# Allegro board MB1045.brd (continued)
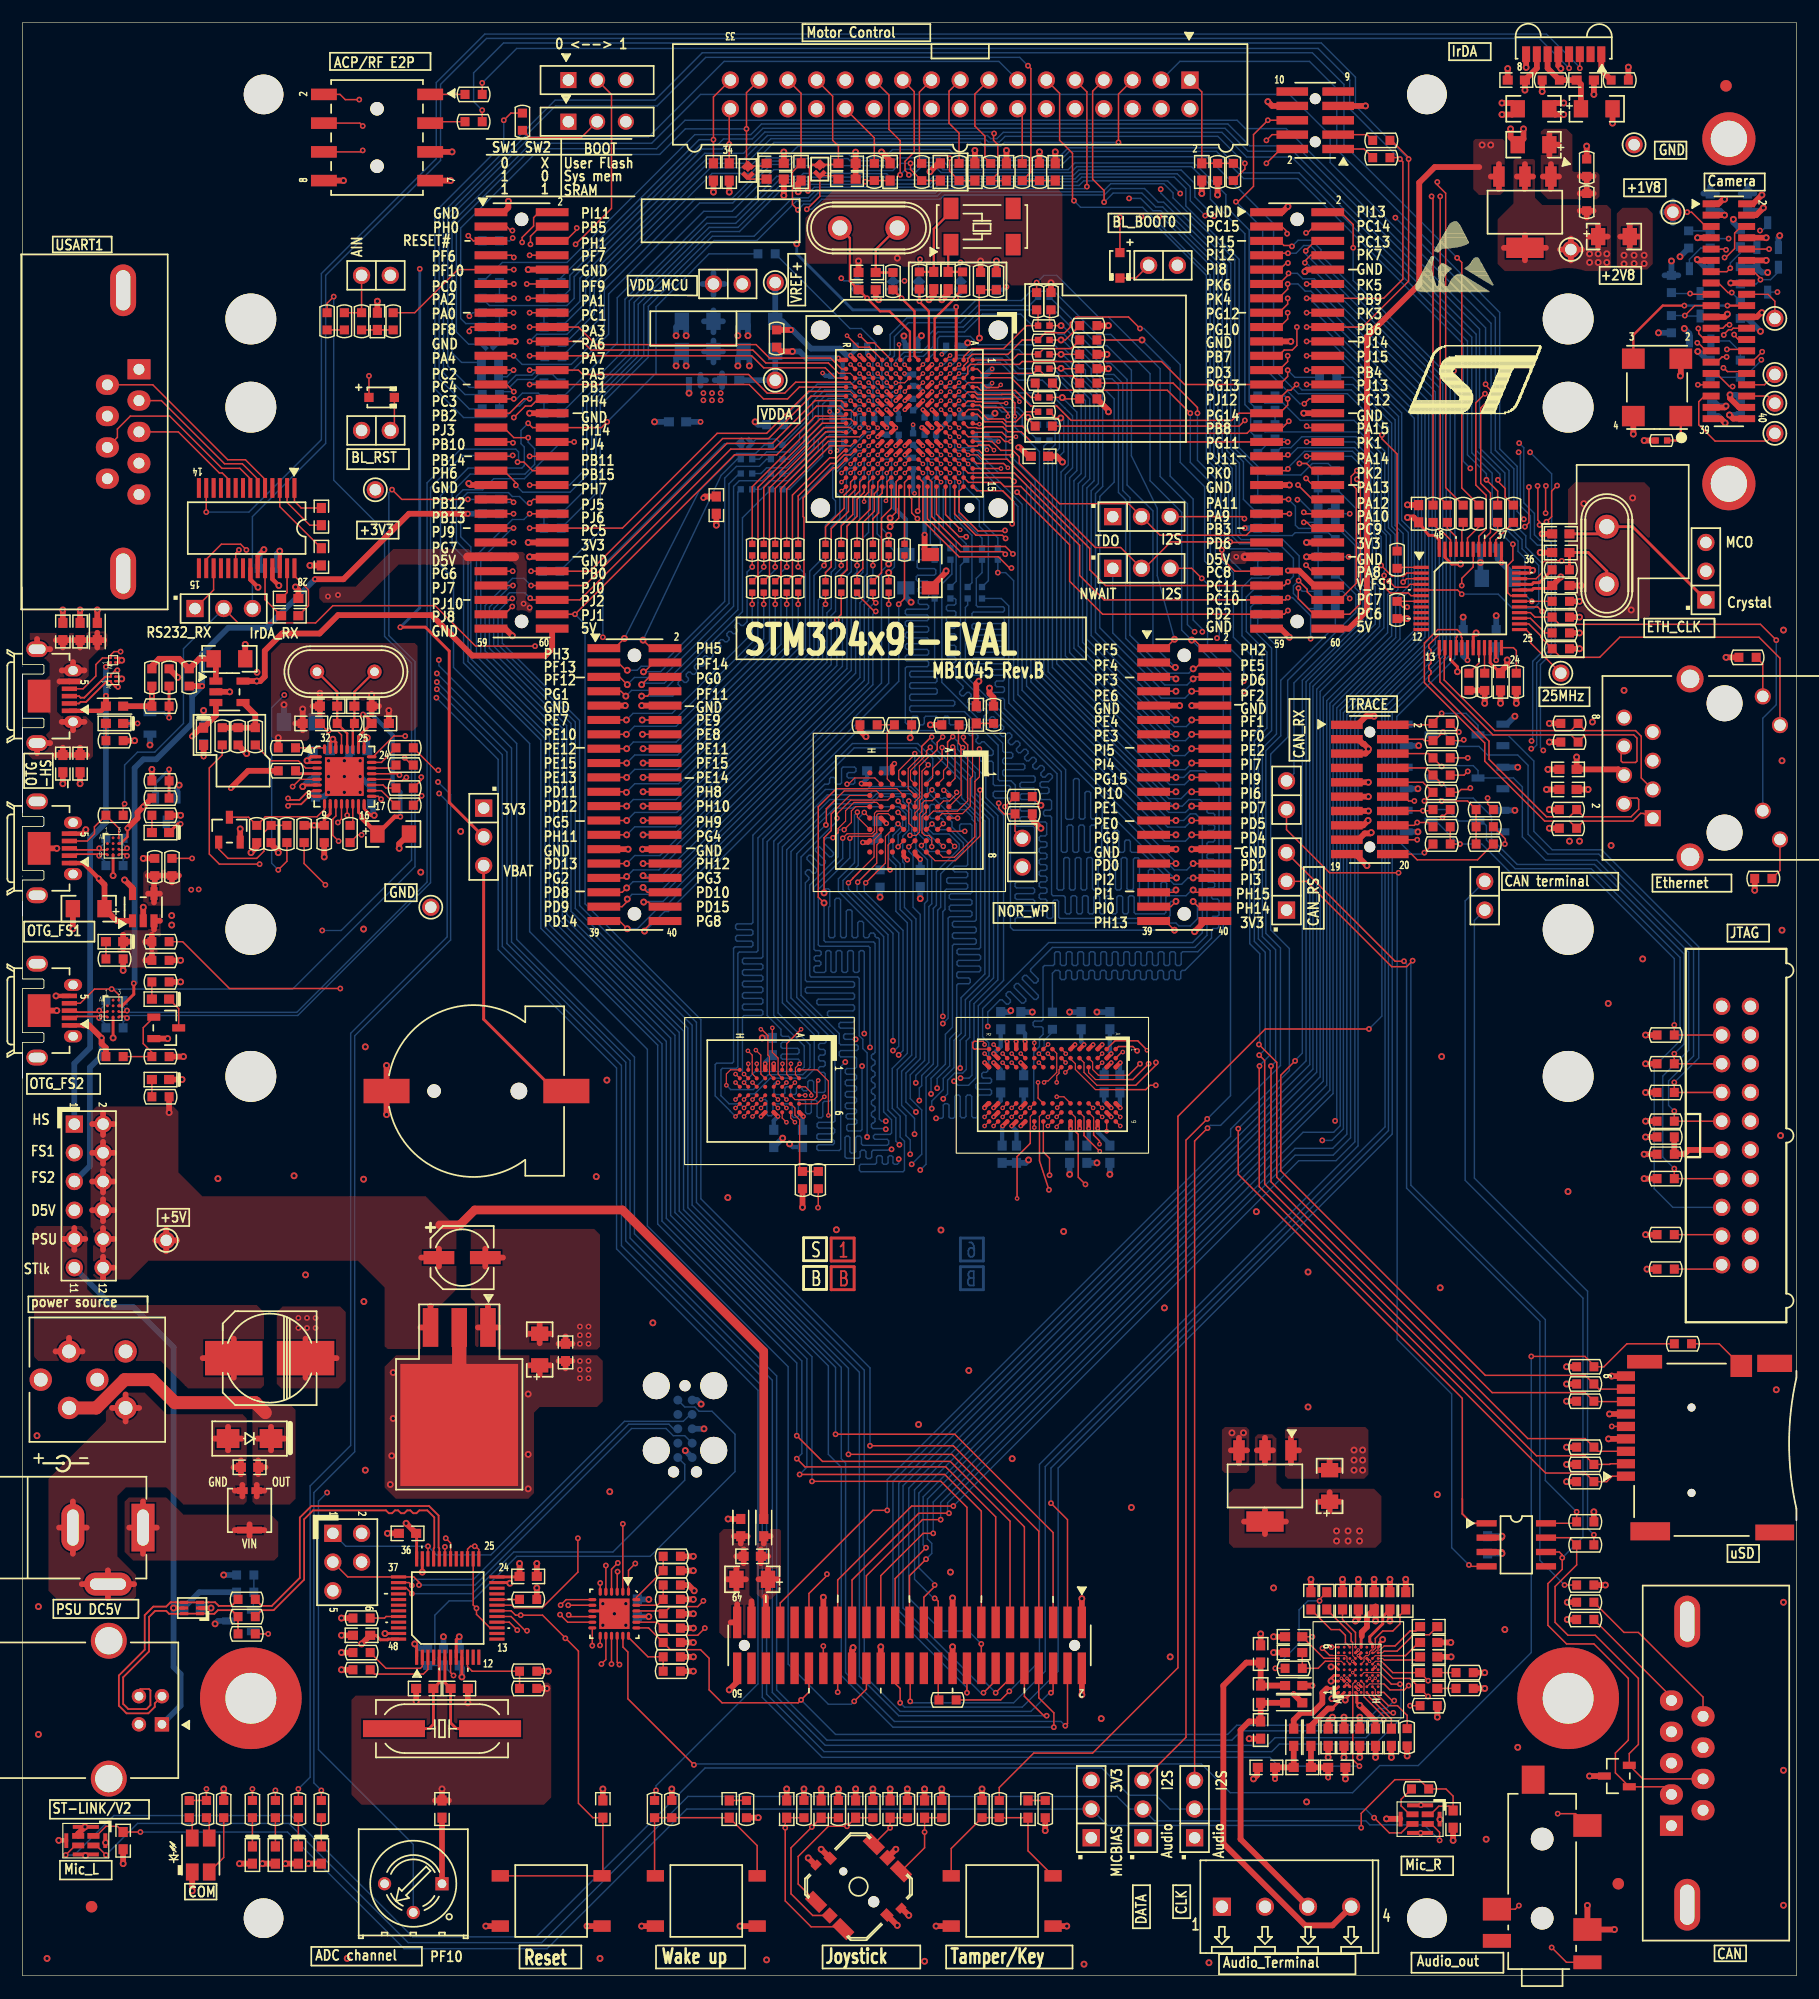
[diagram p0: board, top side]
## Placement (name value [footprint] x y rotation side) (continued)
NOREF  -  [unnamed]  20.18 146.51 0 top
NOREF#2  -  [unnamed#2]  21.31 166.37 0 top
NOREF#3  -  [unnamed]  20.18 79.53 0 top
NOREF#4  -  [unnamed#2]  21.31 5.08 0 top
NOREF#5  -  [#2]  450.6 -120.4 0 top
NOREF#6  -  [unnamed#2]  124.18 166.37 0 top
NOREF#7  -  [#2]  12.32 228.5 0 top
NOREF#8  -  [unnamed#3]  141.1 8.13 0 top
NOREF#9  -  [unnamed#3]  6.1 6.1 0 top
NOREF#10  -  [unnamed#3]  150.62 167.13 0 top
NOREF#11  -  [#2]  72.26 60.92 0 top
NOREF#12  -  [unnamed]  136.66 79.53 0 top
NOREF#13  -  [#2]  72.26 63.46 0 top
NOREF#14  -  [unnamed]  136.66 146.51 0 top
NOREF#15  -  [#2]  322.2 176.15 0 top
NOREF#16  -  [#2]  0 0 0 top
NOREF#17  -  [unnamed]  136.66 138.71 0 top
NOREF#18  -  [unnamed]  20.18 138.71 0 top
NOREF#19  -  [#2]  309.25 83.19 0 top
NOREF#20  -  [unnamed]  136.66 92.53 0 top
NOREF#21  -  [unnamed]  20.18 92.53 0 top
NOREF#22  -  [#2]  13.59 -41.66 0 top
NOREF#23  -  [unnamed#2]  124.18 5.08 0 top
NOREF#24  -  [unnamed#3]  141.1 8.13 180 bottom
NOREF#25  -  [unnamed#3]  6.1 6.1 180 bottom
NOREF#26  -  [unnamed#3]  150.62 167.13 180 bottom
R1  47  [0603R]  135.13 167.64 0 top
R2  5.1  [0603R]  141.22 167.64 180 top
R3  0  [0603R]  39.88 166.37 180 top
R4  0  [0603R]  39.88 163.96 180 top
R5  10K  [0603R]  44.2 163.96 90 top
R6  0  [0603R]  120.14 162.31 180 top
R7  0  [0603R]  120.14 160.78 180 top
R8  150  [0603R]  138.3 159.89 90 top
R9  0  [0603R]  75.31 159.51 270 top
R10  0  [0603R]  79.5 159.51 90 top
R11  0  [0603R]  82.8 159.51 90 top
R12  0  [0603R]  85.6 159.51 90 top
R13  0  [0603R]  88.39 159.51 270 top
R14  100K  [0603R]  89.92 159.51 90 top
R15  3K3  [0603R]  105.66 159.51 270 top
R16  [N_A]  [0603R]  107.06 159.51 270 top
R17  120  [0603R]  138.3 156.84 90 top
R18  0  [0603R]  79.3 149.91 270 top
R19  0  [0603R]  83.11 149.91 270 top
R20  0  [0603R]  76.96 149.86 90 top
R21  [N_A]  [0603R]  84.71 149.86 90 top
R22  10K  [0603R]  86.11 149.86 90 top
R23  0  [0603R]  89.66 148.08 270 top
R24  220K  [0603R]  90.93 148.08 270 top
R25  0  [0603R]  26.92 146.3 90 top
R26  47  [0603R]  28.45 146.3 270 top
R27  0  [0603R]  29.97 146.3 90 top
R28  0  [0603R]  32.77 146.3 90 top
R29  33  [0402R]  90.3 145.92 0 top
R30  220K  [0603R]  94.23 145.92 180 top
R31  0  [0603R]  66.67 144.78 90 top
R32  33  [0402R]  90.3 144.65 0 top
R33  0  [0603R]  94.23 144.65 180 top
R34  33  [0402R]  90.3 143.38 0 top
R35  220K  [0603R]  94.23 143.38 180 top
R36  33  [0402R]  90.3 142.11 0 top
R37  220K  [0603R]  94.23 142.11 180 top
R38  0  [0603R]  90.3 140.84 180 top
R39  0  [0603R]  94.23 140.84 180 top
R40  33  [0402R]  90.3 139.57 0 top
R41  220K  [0603R]  94.23 139.45 180 top
R42  33  [0402R]  90.3 138.3 0 top
R43  [N_A]  [0603R]  90.3 137.03 180 top
R44  10K  [0402R]  144.91 135.76 180 top
R45  33  [0603R]  115.32 120.9 0 bottom
R46  33  [0603R]  124.71 129.29 90 top
R47  33  [0603R]  125.98 129.29 90 top
R48  33  [0603R]  127.38 129.29 90 top
R49  33  [0603R]  128.78 129.29 90 top
R50  33  [0603R]  130.43 129.29 90 top
R51  33  [0603R]  131.83 129.29 90 top
R52  33  [0402R]  64.52 126.11 270 top
R53  33  [0402R]  65.53 126.11 270 top
R54  33  [0402R]  66.55 126.11 270 top
R55  33  [0402R]  67.56 126.11 270 top
R56  33  [0402R]  68.58 126.11 270 top
R57  33  [0402R]  70.99 126.11 90 top
R58  33  [0402R]  72.39 126.11 90 top
R59  33  [0402R]  73.79 126.11 90 top
R60  33  [0402R]  75.18 126.11 270 top
R61  33  [0402R]  76.58 126.11 270 top
R62  33  [0402R]  77.98 126.11 270 top
R63  33  [0603R]  121.54 125.22 90 top
R64  0  [0603R]  136.02 124.33 0 top
R65  33  [0402R]  64.52 122.81 270 top
R66  33  [0402R]  65.53 122.81 270 top
R67  33  [0402R]  66.55 122.81 270 top
R68  33  [0402R]  67.56 122.81 270 top
R69  33  [0402R]  68.58 122.81 270 top
R70  33  [0402R]  70.99 122.81 90 top
R71  33  [0402R]  72.39 122.81 90 top
R72  33  [0402R]  73.79 122.81 270 top
R73  33  [0402R]  75.18 122.81 270 top
R74  33  [0402R]  76.58 122.81 270 top
R75  1K5  [0603R]  136.02 121.54 0 top
R76  10K  [0603R]  121.54 120.78 90 top
R77  2K2  [0603R]  136.02 120.14 0 top
R78  2K2  [0603R]  136.02 118.75 0 top
R79  2K2  [0603R]  136.02 117.35 0 top
R80  240  [0603R]  152.53 116.59 180 top
R81  0  [0603R]  11.43 114.81 270 top
R82  [N_A]  [0603R]  12.95 114.81 270 top
R83  [N_A]  [0603R]  14.73 114.81 90 top
R84  2K2  [0603R]  127.89 114.43 270 top
R85  2K2  [0603R]  129.29 114.43 270 top
R86  4.87K  [0603R]  132.08 114.43 90 top
R87  47K  [0603R]  12.19 112.27 180 top
R88  10K  [0603R]  85.85 111.51 270 top
R89  1M  [0603R]  28.57 110.74 180 top
R90  22  [0603R]  125.48 110.74 0 top
R91  50  [0603R]  136.78 110.74 0 top
R92  10K  [0603R]  74.8 110.62 180 top
R93  0  [0603R]  77.85 110.62 0 top
R94  10K  [0603R]  82.04 110.62 180 top
R95  [N_A]  [0603R]  17.65 109.6 270 top
R96  10K  [0603R]  19.05 109.6 90 top
R97  0  [0603R]  20.57 109.6 90 top
R98  330  [0603R]  8.13 109.22 0 top
R99  22  [0603R]  125.48 109.22 0 top
R100  50  [0603R]  136.78 109.09 0 top
R101  12K[1%]  [0603R]  23.37 108.58 0 top
R102  0  [0603R]  33.78 108.58 0 top
R103  22  [0603R]  125.48 107.7 0 top
R104  0  [0603R]  33.78 107.06 0 top
R105  820  [0603R]  23.37 106.55 180 top
R106  22  [0603R]  125.48 106.17 0 top
R107  [N_A]  [0603R]  12.19 105.66 0 top
R108  0  [0603R]  33.78 105.03 0 top
R109  22  [0603R]  125.48 104.65 0 top
R110  0  [0603R]  88.52 104.27 0 top
R111  47K  [0603R]  12.19 104.14 0 top
R112  0  [0603R]  33.78 103.5 0 top
R113  [N_A]  [0603R]  125.48 103.12 0 top
R114  0  [0603R]  129.29 103.12 180 top
R115  50  [0603R]  136.65 103.12 0 top
R116  10K  [0603R]  88.52 102.74 0 top
R117  0  [0603R]  8.13 102.62 0 top
R118  330  [0603R]  12.19 102.62 0 top
R119  [N_A]  [0603R]  125.48 101.6 0 top
R120  0  [0603R]  129.29 101.6 0 top
R121  50  [0603R]  136.65 101.47 0 top
R122  4K7[N_A]  [0603R]  21.97 100.97 90 top
R123  1K[N_A]  [0603R]  23.37 100.97 270 top
R124  0  [0603R]  24.89 100.97 90 top
R125  3K3  [0603R]  26.67 100.97 90 top
R126  33  [0603R]  28.96 100.97 270 top
R127  22  [0603R]  125.48 100.08 180 top
R128  0  [0603R]  129.29 100.08 180 top
R129  10K  [0603R]  11.68 98.04 270 top
R130  0  [0603R]  13.21 98.04 90 top
R131  240  [0603R]  153.92 97.03 180 top
R132  0  [0603R]  12.19 91.44 180 top
R133  620  [0603R]  8.13 89.92 0 top
R134  47K  [0603R]  12.19 89.79 180 top
R135  330  [0603R]  12.19 87.88 0 top
R136  [N_A]  [0603R]  145.29 83.19 180 top
R137  47K  [0603R]  8.13 81.28 0 top
R138  [N_A]  [0603R]  12.19 81.28 180 top
R139  [N_A]  [0603R]  145.29 80.64 180 top
R140  [N_A]  [0603R]  145.29 78.11 180 top
R141  820  [0603R]  12.19 77.72 0 top
R142  [N_A]  [0603R]  145.29 75.56 0 top
R143  10K  [0603R]  145.29 74.17 0 top
R144  [N_A]  [0603R]  145.29 72.64 180 top
R145  [N_A]  [0603R]  145.29 70.48 180 top
R146  10K  [0603R]  68.96 70.36 270 top
R147  0  [0603R]  70.36 70.36 270 top
R148  10K  [0603R]  145.29 65.53 0 top
R149  10K  [0603R]  145.29 62.48 0 top
R150  0  [0603R]  146.81 55.88 0 top
R151  10K  [0603R]  138.18 53.85 180 top
R152  47K  [0603R]  138.18 52.32 0 top
R153  47K  [0603R]  138.18 50.8 0 top
R154  47K  [0603R]  138.18 46.74 0 top
R155  47K  [0603R]  138.18 45.21 0 top
R156  47K  [0603R]  138.18 43.69 0 top
R157  10K  [0603R]  138.18 40.13 0 top
R158  120  [0603R]  138.18 38.1 0 top
R159  10K  [0603R]  57.4 37.08 180 top
R160  [N_A]  [0603R]  57.4 35.81 180 top
R161  10K  [0603R]  57.4 34.54 180 top
R162  0  [0603R]  138.18 34.54 0 top
R163  0  [0603R]  19.81 33.27 180 top
R164  100K  [0603R]  44.7 33.27 0 top
R165  [N_A]  [0603R]  57.4 33.27 180 top
R166  [N_A]  [0603R]  138.18 33.02 0 top
R167  10K  [0603R]  57.4 32 180 top
R168  0  [0603R]  19.81 31.75 180 top
R169  100K  [0603R]  29.97 31.62 0 top
R170  0  [0603R]  138.18 31.5 0 top
R171  1K5  [0603R]  57.4 30.73 180 top
R172  1K5  [0603R]  19.81 30.23 180 top
R173  1K5  [0603R]  57.4 29.46 180 top
R174  10K  [0603R]  29.97 28.57 0 top
R175  10K  [0603R]  57.4 28.19 180 top
R176  2K2  [0603R]  112.39 27.18 0 top
R177  [N_A]  [0603R]  29.97 27.05 0 top
R178  4K7  [0603R]  44.7 26.92 180 top
R179  [N_A]  [0603R]  57.4 26.92 180 top
R180  20  [0603R]  127.51 26.8 0 top
R181  4K7  [0603R]  44.7 25.4 0 top
R182  20  [0603R]  127.51 25.4 0 top
R183  0  [0603R]  81.79 24.38 0 top
R184  10K  [0603R]  124.33 23.88 0 top
R185  [N_A]  [0603R]  122.43 21.08 90 top
R186  100  [0603R]  14.73 14.73 270 top
R187  100  [0603R]  16.26 14.73 270 top
R188  0  [0603R]  17.78 14.73 90 top
R189  680  [0603R]  20.32 14.73 270 top
R190  680  [0603R]  22.35 14.73 270 top
R191  680  [0603R]  24.38 14.73 270 top
R192  510  [0603R]  26.42 14.73 270 top
R193  330  [0603R]  55.88 14.73 90 top
R194  220K  [0603R]  57.4 14.73 90 top
R195  100  [0603R]  64.01 14.73 90 top
R196  10K  [0603R]  69.09 14.73 270 top
R197  10K  [0603R]  72.14 14.73 270 top
R198  10K  [0603R]  75.18 14.73 270 top
R199  10K  [0603R]  78.23 14.73 270 top
R200  10K  [0603R]  81.28 14.73 270 top
R201  4K7  [0603R]  84.84 14.73 90 top
R202  0  [0603R]  86.36 14.73 90 top
R203  100  [0603R]  90.42 14.73 90 top
R204  10K  [0603R]  123.57 16.51 0 top
R205  4K7  [0603R]  151.89 153.67 90 bottom
R206  1K5  [0603R]  149.22 153.54 90 bottom
R207  1K5  [0603R]  147.32 153.54 270 bottom
R208  820  [0603R]  41.4 153.42 180 bottom
R209  4K7  [0603R]  151.89 150.37 90 bottom
R210  [N_A]  [0603R]  46.86 149.73 0 bottom
R211  0  [0603R]  41.4 149.73 180 bottom
R212  [N_A]  [0603R]  145.8 149.61 90 bottom
R213  33  [0402R]  90.3 148.46 0 bottom
R214  0  [0603R]  46.86 148.34 0 bottom
R215  [N_A]  [0603R]  41.4 148.34 180 bottom
R216  10K  [0603R]  151.89 147.32 90 bottom
R217  33  [0402R]  90.3 147.19 0 bottom
R218  [N_A]  [0603R]  46.86 147.07 180 bottom
R219  0  [0603R]  41.4 147.07 180 bottom
R220  [N_A]  [0603R]  145.8 146.05 270 bottom
R221  33  [0402R]  90.3 145.92 0 bottom
R222  0  [0603R]  46.86 145.8 180 bottom
R223  [N_A]  [0603R]  41.4 145.8 180 bottom
R224  33  [0402R]  90.3 144.65 0 bottom
R225  [N_A]  [0603R]  46.94 144.45 0 bottom
R226  33  [0402R]  90.3 143.38 0 bottom
R227  0  [0603R]  46.94 143.18 0 bottom
R228  33  [0603R]  41.33 142.67 0 bottom
R229  1K5  [0603R]  151.89 142.11 270 bottom
R230  1K5  [0603R]  149.22 142.11 90 bottom
R231  33  [0402R]  90.3 142.11 0 bottom
R232  [N_A]  [0603R]  41.33 141.4 0 bottom
R233  33  [0603R]  115.44 141.35 0 bottom
R234  [N_A]  [0603R]  46.86 140.84 180 bottom
R235  [N_A]  [0603R]  41.4 139.83 0 bottom
R236  33  [0603R]  109.98 139.7 180 bottom
R237  33  [0402R]  90.3 139.57 180 bottom
R238  0  [0603R]  46.86 139.45 180 bottom
R239  0  [0603R]  41.4 138.56 0 bottom
R240  [N_A]  [0603R]  109.98 138.43 0 bottom
R241  33  [0402R]  90.3 138.3 180 bottom
R242  [N_A]  [0603R]  46.86 138.18 180 bottom
R243  33  [0603R]  109.98 137.16 0 bottom
R244  33  [0402R]  90.3 137.16 180 bottom
R245  10K  [0603R]  66.55 137.16 0 bottom
R246  [N_A]  [0603R]  109.98 135.89 180 bottom
R247  33  [0402R]  90.3 135.76 180 bottom
R248  33  [0402R]  66.67 135.38 0 bottom
R249  33  [0603R]  109.98 134.62 0 bottom
R250  33  [0402R]  66.67 134.11 180 bottom
R251  33  [0402R]  64.01 134.11 0 bottom
R252  [N_A]  [0603R]  115.32 133.1 0 bottom
R253  33  [0402R]  66.67 132.84 180 bottom
R254  33  [0402R]  64.01 132.84 180 bottom
R255  [N_A]  [0603R]  109.98 130.56 180 bottom
R256  0  [0603R]  115.32 131.57 0 bottom
R257  33  [0402R]  66.67 131.44 180 bottom
R258  33  [0402R]  64.01 131.44 180 bottom
R259  4K7  [0603R]  20.7 100.97 90 top
R260  [N_A]  [0603R]  41.4 130.56 0 bottom
R261  0  [0603R]  115.32 130.05 0 bottom
R262  0  [0603R]  109.98 129.29 180 bottom
R263  [N_A]  [0603R]  46.86 129.29 180 bottom
R264  [N_A]  [0603R]  41.4 129.29 0 bottom
R265  0  [0603R]  115.32 128.65 180 bottom
R266  10K  [0603R]  109.98 128.02 180 bottom
R267  0  [0603R]  46.86 128.02 180 bottom
R268  [N_A]  [0603R]  115.32 127 0 bottom
R269  33  [0402R]  75.18 126.11 270 bottom
R270  33  [0402R]  73.79 126.11 270 bottom
R271  33  [0402R]  72.39 126.11 270 bottom
R272  33  [0402R]  70.99 126.11 90 bottom
R273  33  [0402R]  68.58 126.11 270 bottom
R274  33  [0402R]  86.23 125.73 270 bottom
R275  33  [0402R]  84.84 125.73 90 bottom
R276  33  [0402R]  83.44 125.73 90 bottom
R277  33  [0402R]  82.04 125.73 90 bottom
R278  33  [0402R]  80.64 125.73 90 bottom
R279  0  [0603R]  115.32 125.48 0 bottom
R280  [N_A]  [0603R]  109.98 125.48 180 bottom
R281  0  [0603R]  109.98 124.21 180 bottom
R282  [N_A]  [0603R]  46.74 124.21 180 bottom
R283  [N_A]  [0603R]  115.32 123.95 0 bottom
R284  0  [0603R]  109.98 122.94 0 bottom
R285  33  [0402R]  73.79 122.81 270 bottom
R286  33  [0402R]  72.39 122.81 270 bottom
R287  33  [0402R]  70.99 122.81 270 bottom
R288  33  [0402R]  84.84 122.3 270 bottom
R289  33  [0402R]  83.57 122.3 90 bottom
R290  33  [0402R]  82.04 122.3 90 bottom
R291  33  [0402R]  80.64 122.3 90 bottom
R292  [N_A]  [0603R]  115.32 122.43 180 bottom
R293  0  [0603R]  109.98 121.67 0 bottom
R294  0  [0603R]  109.98 120.4 0 bottom
R295  0  [0603R]  65.79 152.27 0 bottom
R296  620  [0603R]  16 109.73 90 bottom
R297  22  [0603R]  8.13 100.58 0 bottom
R298  22  [0603R]  8.13 98.17 0 bottom
R299  10K  [0603R]  75.82 97.03 270 bottom
R300  22  [0603R]  8.13 86.23 0 bottom
R301  0  [0603R]  91.06 84.45 90 bottom
R302  22  [0603R]  8.13 83.82 0 bottom
R303  36K  [0603R]  19.68 35.43 180 bottom
R304  10K  [0603R]  19.68 33.91 0 bottom
R305  100K  [0603R]  35.81 28.19 90 bottom
RV1  3386P-103(10K)  [3386P]  34.54 8.13 180 top
SB1  -  [JP2_SMD]  70.48 159.77 90 top
SB2  -  [JP2_SMD]  64.14 159.64 90 top
SB3  -  [JP2_SMD]  82.93 149.48 90 bottom
SB4  -  [JP2_SMD]  79.25 149.48 90 bottom
SB5  -  [JP2_SMD]  76.96 149.48 90 bottom
SB6  -  [JP2_SMD]  73.79 149.48 90 bottom
SB7  -  [JP2_SMD]  41.27 144.27 0 bottom
SB8  -  [JP2_SMD]  63.88 135.51 180 bottom
SW1  09.03290.01  [SW1_3TH_2R54_10X2R5]  48.26 167.64 0 top
SW2  09.03290.01  [SW1_3TH_2R54_10X2R5]  48.26 163.96 0 top
T1  9013  [SOT23-213]  12.7 83.82 270 top
T2  9013  [SOT23-213]  148.34 149.86 0 bottom
T3  9013  [SOT23-213]  148.34 145.67 180 bottom
T4  9013  [SOT23-213]  10.16 110.74 270 bottom
T5  9013  [SOT23-213]  12.7 103.12 0 bottom
T6  9013  [SOT23-213]  19.3 31.37 270 bottom
T7  9012[N_A]  [SOT23-213]  18.29 101.35 0 top
TP1  2V8  [TP]  136.91 152.65 90 top
TP2  VREF  [TP]  66.55 149.73 180 top
TP3  mco1  [TP]  154.94 146.56 0 top
TP4  mco1  [TP]  154.94 141.6 0 top
TP5  VDDA  [TP]  66.55 141.1 180 top
TP6  mco1  [TP]  154.94 139.06 0 top
TP7  mco1  [TP]  154.94 136.4 0 top
TP8  25MHz  [TP]  136.02 115.19 0 top
TP9  5V  [TP]  12.7 65.02 0 top
TP10  Ground  [TP]  36.09 94.49 0 top
TP11  +3V3  [TP]  31.19 131.41 270 top
TP12  1V8  [TP]  145.92 155.96 90 top
TP13  Ground  [TP]  142.49 161.93 0 top
TR1  BSN20  [SOT23-213]  154.31 153.92 180 bottom
TR2  BSN20  [SOT23-213]  154.31 149.99 0 bottom
U1  TFDU6300  [IR_VISHAY3]  136.27 169.93 0 top
U2  LD1117STR  [SOT-223]  132.84 155.96 180 top
U3  STM32F4  [BGA216_0R8_13X13_SKT]  78.41 137.29 270 top
U4  ST3241EBPR  [SSOP28_0R65_10R2X7R8]  19.81 128.02 180 top
U5  DP83848CVV  [LQFP48_0R5_9X9]  128.02 121.79 0 top
U6  STMPS2151STR  [SOT23-5]  18.29 113.54 270 top
U7  USB3300-EZK  [QFN32_0R5_5X5]  28.45 106.05 0 top
U8  M29W128GL70ZA6E  [BGA64_1_10X13]  78.41 102.87 270 top
U9  STMPS2151STR  [SOT23-5]  10.67 94.49 0 top
U10  MT48LC4M32B2B5-7  [FBGA90_0R8_8X13]  91.06 78.74 270 top
U11  IS61WV102416BLL-10MLI  [BGA48_0R75_9X11]  66.04 78.23 270 top
U12  LD1086D2M33  [TO263-3]  38.61 52.32 180 top
U13  LD1117S18TR  [SOT-223]  109.86 43.31 180 top
U14  SN65HVD230  [SOIC8_1R27_4R9X6]  132.08 38.1 270 top
U15  STM32F103C8T6  [LQFP48_0R5_9X9]  37.59 32.51 90 top
U16  STMPE1600QTR  [QFN24_0R5_4X4]  52.32 32 270 top
U17  WM8994ECS_R  [BGA72_0R5_4R5X4]  118.11 27.05 90 top
U18  -  [MP34DT01TR]  123.57 13.84 270 top
U19  -  [MP34DT01TR]  5.59 11.94 270 top
X1  CM200C32.768KDZF  [XTAL_4SM_8X3R8]  84.84 154.69 0 top
X2  25MHz(with socket)  [XTAL_SOCKET]  72.26 154.56 180 top
X3  SM7745HEX-24.0M  [OSC_4SM_7X5]  144.53 140.46 90 top
X4  25MHz (with socket)  [XTAL_SOCKET]  140.08 128.14 90 top
X5  24MHz  [XTAL1]  26.04 115.32 180 top
X6  8MHz  [XTAL_2SM_12R7X4R7]  37.08 21.84 180 top
Z1  SMAJ5.0A-TR  [SMA]  20.07 47.5 0 top

## Library data of the parts
B1-B3 = PB10
B4 = SW-JOY
BT1 = BAT_2SM_CR1220
C1 C2 C11 C15 C27 C28 C31 C33-C37 C39 C42-C48 C53 C55 C57-C59 C66 C69 C75 C78 C81 C83 C84 C89-C91 C98-C101 C116 C117 C131 C132 C135 C136 C138-C165 = 0603C: signal model: DEFAULT_CAPACITOR_100000pF_1_2
C3 C4 C38 C49 C50 C104 C109 C137 = TAN-A: signal model: DEFAULT_CAPACITOR_4.7e+06pF_1_2
C5 C19 C52 C56 C60 C134 = TAN-A: signal model: DEFAULT_CAPACITOR_1e+07pF_1_2
C6-C10 C12-C14 C18 C24-C26 C79 C87 C92 C102 C124 = 0603C
C16 = 0603C: signal model: DEFAULT_CAPACITOR_1000pF_1_2
C17 C93-C97 = 0603C: signal model: DEFAULT_CAPACITOR_10000pF_1_2
C20 C23 C76 C77 = 0603C: signal model: DEFAULT_CAPACITOR_20pF_1_2
C21 C22 = 0603C: signal model: DEFAULT_CAPACITOR_10pF_1_2
C29 C30 = 0603C: signal model: DEFAULT_CAPACITOR_22pF_1_2
C32 C133 = 1206C: signal model: DEFAULT_CAPACITOR_2.2e+06pF_2_1
C40 C41 C73 C80 C86 C88 = 0603C: signal model: DEFAULT_CAPACITOR_33pF_1_2
C51 = CAE_5R3X5R3_H5R4: signal model: DEFAULT_CAPACITOR_4.7e+07pF_2_1
C54 = C310M-6: signal model: DEFAULT_CAPACITOR_2.2e+08pF_1_2
C61 C63 C64 C70 C72 C82 = 0603C: signal model: DEFAULT_CAPACITOR_4.7e+06pF_1_2
C62 C65 C67 C85 = 0603C: signal model: DEFAULT_CAPACITOR_1e+06pF_1_2
C68 C71 C74 = 0603C: signal model: DEFAULT_CAPACITOR_2.2e+06pF_1_2
C103 C108 = TAN-A: signal model: DEFAULT_CAPACITOR_1e+06pF_1_2
C105-C107 C110-C115 C118-C123 C125-C130 = 0402C: signal model: DEFAULT_CAPACITOR_100000pF_1_2
CN1 = IDC34S
CN2 = FTSH-105-01-L-DV-K
CN3 = SSM-104-L-DH
CN4 JP1-JP3 JP9 JP11 JP16 = SIP2
CN5 = CLM-120-02-L-D
CN6 CN7 = FTR-130-53-L-D-LC
CN8 CN22 = DB9_M
CN9 CN14 CN15 = MOLEX_47590001
CN10 = RJ45_J0011D01BNL
CN11 CN12 = FTR-120-53-L-D-LC
CN13 = FTSH-110-01-L-DV
CN16 = IDC20S
CN17 = MSD_PJS008_
CN18 = PWR_JACK_DC10
CN19 = HDR_2X3-1_2R54-6
CN20 = FTSH-125-01-F-DV
CN21 = USB-B
CN23 = PJ3028B
CN24 = BUCHANAN_284392-4
CN25 = TC2050-IDC-FP
D1 D2 = SOD-323
D3 = BGA4_0R4_0R8X0R8
D4 = BGA4_0R4_1X1
D5 D6 = BGA11_0R5_1R57X2R07
D7 = TYCO_ZEN056V130A24LS
D8 = SOT-563
D9-D15 T1-T7 TR1 TR2 = SOT23-213
H1 H2 = HOLE_C9D4R5
JP4-JP8 JP10 JP13-JP15 = SIP3
JP12 = HDR_2X6_2R54
L1 L2 L4-L10 = 0603L
L3 = BNX001
LD1-LD10 = 0603D
LD11 = LED2_3528
R1 R26 = 0603R: signal model: DEFAULT_RESISTOR_47OHM_1_2
R2 = 0603R: signal model: DEFAULT_RESISTOR_5.1OHM_1_2
R3 R4 R6 R7 R9-R13 R16 R18-R20 R23 R25 R27 R28 R31 R33 R38 R39 R43 R64 R89 R93 R97 R102 R104 R108 R110 R112 R114 R117 R120 R122 R124 R128 R130 R132 R147 R150 R162 R163 R168 R170 R183 R188 R202 R211 R214 R219 R222 R227 R238 R239 R256 R259 R261 R262 R265 R267 R279 R281 R284 R293 R294 R301 = 0603R: signal model: DEFAULT_RESISTOR_0.001OHM_1_2
R5 R22 R76 R88 R92 R94 R96 R116 R129 R143 R146 R148 R149 R151 R157 R159 R161 R167 R174 R175 R184 R196-R200 R204 R216 R245 R266 R299 R304 = 0603R: signal model: DEFAULT_RESISTOR_10000OHM_1_2
R8 = 0603R: signal model: DEFAULT_RESISTOR_150OHM_1_2
R14 R164 R169 R305 = 0603R: signal model: DEFAULT_RESISTOR_100000OHM_1_2
R15 R75 R77-R79 R81-R85 R87 R101 R105 R125 R137 R171-R173 R176 R178 R181 R201 R205-R207 R209 R212 R220 R229 R230 R295 = 0603R
R17 R158 = 0603R: signal model: DEFAULT_RESISTOR_120OHM_1_2
R21 R95 R107 R113 R119 R123 R136 R138-R140 R142 R144 R145 R160 R165 R166 R177 R179 R185 R210 R215 R218 R223 R225 R232 R234 R235 R240 R242 R246 R252 R255 R260 R263 R264 R268 R280 R282 R283 R292 = 0603R: signal model: 0603R_[n/a]
R24 R30 R35 R37 R41 R194 = 0603R: signal model: DEFAULT_RESISTOR_220000OHM_1_2
R29 R32 R34 R36 R40 R42 R52-R62 R65-R74 R213 R217 R221 R224 R226 R231 R237 R241 R244 R247 R248 R250 R251 R253 R254 R257 R258 R269-R278 R285-R291 = 0402R: signal model: 0402R_33
R44 = 0402R: signal model: DEFAULT_RESISTOR_10000OHM_1_2
R45-R51 R63 R126 R228 R233 R236 R243 R249 = 0603R: signal model: DEFAULT_RESISTOR_33OHM_1_2
R80 R131 = 0603R: signal model: DEFAULT_RESISTOR_240OHM_1_2
R86 = 0603R: signal model: DEFAULT_RESISTOR_4870OHM_1_2
R90 R99 R103 R106 R109 R127 R297 R298 R300 R302 = 0603R: signal model: DEFAULT_RESISTOR_22OHM_1_2
R91 R100 R115 R121 = 0603R: signal model: DEFAULT_RESISTOR_50OHM_1_2
R98 R118 R135 R193 = 0603R: signal model: DEFAULT_RESISTOR_330OHM_1_2
R111 R134 R152-R156 = 0603R: signal model: DEFAULT_RESISTOR_47000OHM_1_2
R133 R296 = 0603R: signal model: DEFAULT_RESISTOR_620OHM_1_2
R141 R208 = 0603R: signal model: DEFAULT_RESISTOR_820OHM_1_2
R180 R182 = 0603R: signal model: DEFAULT_RESISTOR_20OHM_1_2
R186 R187 R195 R203 = 0603R: signal model: DEFAULT_RESISTOR_100OHM_1_2
R189-R191 = 0603R: signal model: DEFAULT_RESISTOR_680OHM_1_2
R192 = 0603R: signal model: DEFAULT_RESISTOR_510OHM_1_2
R303 = 0603R: signal model: DEFAULT_RESISTOR_36000OHM_1_2
RV1 = 3386P
SB1-SB8 = JP2_SMD
SW1 SW2 = SW1_3TH_2R54_10X2R5
TP1-TP13 = TP
U1 = IR_VISHAY3
U2 U13 = SOT-223
U3 = BGA216_0R8_13X13_SKT
U4 = SSOP28_0R65_10R2X7R8
U5 U15 = LQFP48_0R5_9X9
U6 U9 = SOT23-5
U7 = QFN32_0R5_5X5
U8 = BGA64_1_10X13
U10 = FBGA90_0R8_8X13
U11 = BGA48_0R75_9X11
U12 = TO263-3
U14 = SOIC8_1R27_4R9X6
U16 = QFN24_0R5_4X4
U17 = BGA72_0R5_4R5X4
U18 U19 = MP34DT01TR
X1 = XTAL_4SM_8X3R8
X2 X4 = XTAL_SOCKET
X3 = OSC_4SM_7X5
X5 = XTAL1
X6 = XTAL_2SM_12R7X4R7
Z1 = SMA

## Footprints (pads in the part's own frame, mm; a bottom-side part is the same pattern mirrored in y, then rotated)
0402C
  rect 0.559x0.559 smd: 1(-0.508,0) 2(0.508,0)
0402R
  rect 0.559x0.559 smd: 1(-0.508,0) 2(0.508,0)
0603C
  rect 0.889x0.813 smd: 1(-0.762,0) 2(0.762,0)
0603D
  rect 0.889x0.813 smd: 1(-0.762,0) 2(0.762,0)
0603L
  rect 0.889x0.813 smd: 1(-0.762,0) 2(0.762,0)
0603R
  rect 0.787x0.813 smd: 1(-0.762,0) 2(0.762,0)
1206C
  rect 1.168x1.524 smd: 1(-1.473,0) 2(1.473,0)
3386P
  rect 1.168x1.168 hole 0.762: 1(-2.54,0)
  round 1.168 hole 0.762: 2(0,2.54) 3(2.54,0)
BAT_2SM_CR1220
  round 1.473 hole 1.473 unplated: (-3.75,0)
  round 1.194 hole 1.194 unplated: (3.75,0)
  rect 4.064x2.159 smd: 1(-7.95,0) 2(7.95,0)
BGA4_0R4_0R8X0R8
  round 0.203 smd: A1(-0.2,0.2) A2(0.2,0.2) B1(-0.2,-0.2) B2(0.2,-0.2)
BGA4_0R4_1X1
  round 0.203 smd: A1(-0.2,0.2) A2(0.2,0.2) B1(-0.2,-0.2) B2(0.2,-0.2)
BGA11_0R5_1R57X2R07
  round 0.249 smd: A2(0,0.75) A3(0.5,0.75) B1(-0.5,0.25) B2(0,0.25) B3(0.5,0.25) C1(-0.5,-0.25) C2(0,-0.25) C3(0.5,-0.25) D1(-0.5,-0.75) D2(0,-0.75) D3(0.5,-0.75)
BGA48_0R75_9X11
  round 0.356 smd: A1(-1.875,2.625) A2(-1.125,2.625) A3(-0.375,2.625) A4(0.375,2.625) A5(1.125,2.625) A6(1.875,2.625) B1(-1.875,1.875) B2(-1.125,1.875) B3(-0.375,1.875) B4(0.375,1.875) B5(1.125,1.875) B6(1.875,1.875) C1(-1.875,1.125) C2(-1.125,1.125) C3(-0.375,1.125) C4(0.375,1.125) C5(1.125,1.125) C6(1.875,1.125) D1(-1.875,0.375) D2(-1.125,0.375) D3(-0.375,0.375) D4(0.375,0.375) D5(1.125,0.375) D6(1.875,0.375) E1(-1.875,-0.375) E2(-1.125,-0.375) E3(-0.375,-0.375) E4(0.375,-0.375) E5(1.125,-0.375) E6(1.875,-0.375) F1(-1.875,-1.125) F2(-1.125,-1.125) F3(-0.375,-1.125) F4(0.375,-1.125) F5(1.125,-1.125) F6(1.875,-1.125) G1(-1.875,-1.875) G2(-1.125,-1.875) G3(-0.375,-1.875) G4(0.375,-1.875) G5(1.125,-1.875) G6(1.875,-1.875) H1(-1.875,-2.625) H2(-1.125,-2.625) H3(-0.375,-2.625) H4(0.375,-2.625) H5(1.125,-2.625) H6(1.875,-2.625)
BGA64_1_10X13
  round 0.457 smd: A1(-3.5,3.5) A2(-2.5,3.5) A3(-1.5,3.5) A4(-0.5,3.5) A5(0.5,3.5) A6(1.5,3.5) A7(2.5,3.5) A8(3.5,3.5) B1(-3.5,2.5) B2(-2.5,2.5) B3(-1.5,2.5) B4(-0.5,2.5) B5(0.5,2.5) B6(1.5,2.5) B7(2.5,2.5) B8(3.5,2.5) C1(-3.5,1.5) C2(-2.5,1.5) C3(-1.5,1.5) C4(-0.5,1.5) C5(0.5,1.5) C6(1.5,1.5) C7(2.5,1.5) C8(3.5,1.5) D1(-3.5,0.5) D2(-2.5,0.5) D3(-1.5,0.5) D4(-0.5,0.5) D5(0.5,0.5) D6(1.5,0.5) D7(2.5,0.5) D8(3.5,0.5) E1(-3.5,-0.5) E2(-2.5,-0.5) E3(-1.5,-0.5) E4(-0.5,-0.5) E5(0.5,-0.5) E6(1.5,-0.5) E7(2.5,-0.5) E8(3.5,-0.5) F1(-3.5,-1.5) F2(-2.5,-1.5) F3(-1.5,-1.5) F4(-0.5,-1.5) F5(0.5,-1.5) F6(1.5,-1.5) F7(2.5,-1.5) F8(3.5,-1.5) G1(-3.5,-2.5) G2(-2.5,-2.5) G3(-1.5,-2.5) G4(-0.5,-2.5) G5(0.5,-2.5) G6(1.5,-2.5) G7(2.5,-2.5) G8(3.5,-2.5) H1(-3.5,-3.5) H2(-2.5,-3.5) H3(-1.5,-3.5) H4(-0.5,-3.5) H5(0.5,-3.5) H6(1.5,-3.5) H7(2.5,-3.5) H8(3.5,-3.5)
BGA72_0R5_4R5X4
  round 0.249 smd: A1(-2,1.75) A2(-1.5,1.75) A3(-1,1.75) A4(-0.5,1.75) A5(0,1.75) A6(0.5,1.75) A7(1,1.75) A8(1.5,1.75) A9(2,1.75) B1(-2,1.25) B2(-1.5,1.25) B3(-1,1.25) B4(-0.5,1.25) B5(0,1.25) B6(0.5,1.25) B7(1,1.25) B8(1.5,1.25) B9(2,1.25) C1(-2,0.75) C2(-1.5,0.75) C3(-1,0.75) C4(-0.5,0.75) C5(0,0.75) C6(0.5,0.75) C7(1,0.75) C8(1.5,0.75) C9(2,0.75) D1(-2,0.25) D2(-1.5,0.25) D3(-1,0.25) D4(-0.5,0.25) D5(0,0.25) D6(0.5,0.25) D7(1,0.25) D8(1.5,0.25) D9(2,0.25) E1(-2,-0.25) E2(-1.5,-0.25) E3(-1,-0.25) E4(-0.5,-0.25) E5(0,-0.25) E6(0.5,-0.25) E7(1,-0.25) E8(1.5,-0.25) E9(2,-0.25) F1(-2,-0.75) F2(-1.5,-0.75) F3(-1,-0.75) F4(-0.5,-0.75) F5(0,-0.75) F6(0.5,-0.75) F7(1,-0.75) F8(1.5,-0.75) F9(2,-0.75) G1(-2,-1.25) G2(-1.5,-1.25) G3(-1,-1.25) G4(-0.5,-1.25) G5(0,-1.25) G6(0.5,-1.25) G7(1,-1.25) G8(1.5,-1.25) G9(2,-1.25) H1(-2,-1.75) H2(-1.5,-1.75) H3(-1,-1.75) H4(-0.5,-1.75) H5(0,-1.75) H6(0.5,-1.75) H7(1,-1.75) H8(1.5,-1.75) H9(2,-1.75)
BGA216_0R8_13X13_SKT
  round 1.702 hole 1.702 unplated: (-8.237,7.863) (-8.237,-7.863) (7.487,7.863) (7.487,-7.863)
  round 0.85 hole 0.85 unplated: (-8.237,-2.783) (7.487,5.323)
  round 0.406 smd: A1(-5.6,5.6) A2(-4.8,5.6) A3(-4,5.6) A4(-3.2,5.6) A5(-2.4,5.6) A6(-1.6,5.6) A7(-0.8,5.6) A8(0,5.6) A9(0.8,5.6) A10(1.6,5.6) A11(2.4,5.6) A12(3.2,5.6) A13(4,5.6) A14(4.8,5.6) A15(5.6,5.6) B1(-5.6,4.8) B2(-4.8,4.8) B3(-4,4.8) B4(-3.2,4.8) B5(-2.4,4.8) B6(-1.6,4.8) B7(-0.8,4.8) B8(0,4.8) B9(0.8,4.8) B10(1.6,4.8) B11(2.4,4.8) B12(3.2,4.8) B13(4,4.8) B14(4.8,4.8) B15(5.6,4.8) C1(-5.6,4) C2(-4.8,4) C3(-4,4) C4(-3.2,4) C5(-2.4,4) C6(-1.6,4) C7(-0.8,4) C8(0,4) C9(0.8,4) C10(1.6,4) C11(2.4,4) C12(3.2,4) C13(4,4) C14(4.8,4) C15(5.6,4) D1(-5.6,3.2) D2(-4.8,3.2) D3(-4,3.2) D4(-3.2,3.2) D5(-2.4,3.2) D6(-1.6,3.2) D7(-0.8,3.2) D8(0,3.2) D9(0.8,3.2) D10(1.6,3.2) D11(2.4,3.2) D12(3.2,3.2) D13(4,3.2) D14(4.8,3.2) D15(5.6,3.2) E1(-5.6,2.4) E2(-4.8,2.4) E3(-4,2.4) E4(-3.2,2.4) E5(-2.4,2.4) E6(-1.6,2.4) E7(-0.8,2.4) E8(0,2.4) E9(0.8,2.4) E10(1.6,2.4) E11(2.4,2.4) E12(3.2,2.4) E13(4,2.4) E14(4.8,2.4) E15(5.6,2.4) F1(-5.6,1.6) F2(-4.8,1.6) F3(-4,1.6) F4(-3.2,1.6) F5(-2.4,1.6) F6(-1.6,1.6) F7(-0.8,1.6) F8(0,1.6) F9(0.8,1.6) F10(1.6,1.6) F11(2.4,1.6) F12(3.2,1.6) F13(4,1.6) F14(4.8,1.6) F15(5.6,1.6) G1(-5.6,0.8) G2(-4.8,0.8) G3(-4,0.8) G4(-3.2,0.8) G5(-2.4,0.8) G6(-1.6,0.8) G10(1.6,0.8) G11(2.4,0.8) G12(3.2,0.8) G13(4,0.8) G14(4.8,0.8) G15(5.6,0.8) H1(-5.6,0) H2(-4.8,0) H3(-4,0) H4(-3.2,0) H5(-2.4,0) H6(-1.6,0) H10(1.6,0) H11(2.4,0) H12(3.2,0) H13(4,0) H14(4.8,0) H15(5.6,0) J1(-5.6,-0.8) J2(-4.8,-0.8) J3(-4,-0.8) J4(-3.2,-0.8) J5(-2.4,-0.8) J6(-1.6,-0.8) J10(1.6,-0.8) J11(2.4,-0.8) J12(3.2,-0.8) J13(4,-0.8) J14(4.8,-0.8) J15(5.6,-0.8) K1(-5.6,-1.6) K2(-4.8,-1.6) K3(-4,-1.6) K4(-3.2,-1.6) K5(-2.4,-1.6) K6(-1.6,-1.6) K7(-0.8,-1.6) K8(0,-1.6) K9(0.8,-1.6) K10(1.6,-1.6) K11(2.4,-1.6) K12(3.2,-1.6) K13(4,-1.6) K14(4.8,-1.6) K15(5.6,-1.6) L1(-5.6,-2.4) L2(-4.8,-2.4) L3(-4,-2.4) L4(-3.2,-2.4) L5(-2.4,-2.4) L6(-1.6,-2.4) L7(-0.8,-2.4) L8(0,-2.4) L9(0.8,-2.4) L10(1.6,-2.4) L11(2.4,-2.4) L12(3.2,-2.4) L13(4,-2.4) L14(4.8,-2.4) L15(5.6,-2.4) M1(-5.6,-3.2) M2(-4.8,-3.2) M3(-4,-3.2) M4(-3.2,-3.2) M5(-2.4,-3.2) M6(-1.6,-3.2) M7(-0.8,-3.2) M8(0,-3.2) M9(0.8,-3.2) M10(1.6,-3.2) M11(2.4,-3.2) M12(3.2,-3.2) M13(4,-3.2) M14(4.8,-3.2) M15(5.6,-3.2) N1(-5.6,-4) N2(-4.8,-4) N3(-4,-4) N4(-3.2,-4) N5(-2.4,-4) N6(-1.6,-4) N7(-0.8,-4) N8(0,-4) N9(0.8,-4) N10(1.6,-4) N11(2.4,-4) N12(3.2,-4) N13(4,-4) N14(4.8,-4) N15(5.6,-4) P1(-5.6,-4.8) P2(-4.8,-4.8) P3(-4,-4.8) P4(-3.2,-4.8) P5(-2.4,-4.8) P6(-1.6,-4.8) P7(-0.8,-4.8) P8(0,-4.8) P9(0.8,-4.8) P10(1.6,-4.8) P11(2.4,-4.8) P12(3.2,-4.8) P13(4,-4.8) P14(4.8,-4.8) P15(5.6,-4.8) R1(-5.6,-5.6) R2(-4.8,-5.6) R3(-4,-5.6) R4(-3.2,-5.6) R5(-2.4,-5.6) R6(-1.6,-5.6) R7(-0.8,-5.6) R8(0,-5.6) R9(0.8,-5.6) R10(1.6,-5.6) R11(2.4,-5.6) R12(3.2,-5.6) R13(4,-5.6) R14(4.8,-5.6) R15(5.6,-5.6)
BNX001
  round 1.981 hole 1.219: 1(2.5,2.5) 2(-2.5,2.5) 3(2.5,-2.5) 4(0,0) 5(5,0) 6(-2.5,-2.5)
BUCHANAN_284392-4
  rect 1.6x1.6 hole 1.092: 1(-5.715,0)
  round 1.6 hole 1.092: 2(-1.905,0) 3(1.905,0) 4(5.715,0)
C310M-6
  rect 5.08x3.048 smd: 1(3.175,0) 2(-3.175,0)
CAE_5R3X5R3_H5R4
  rect 2.718x1.168 smd: 1(-2.05,0) 2(2.05,0)
CLM-120-02-L-D
  rect 0.61x1.499 smd: 1(-9.5,-1.57) 2(-9.5,1.57) 3(-8.5,-1.57) 4(-8.5,1.57) 5(-7.5,-1.57) 6(-7.5,1.57) 7(-6.5,-1.57) 8(-6.5,1.57) 9(-5.5,-1.57) 10(-5.5,1.57) 11(-4.5,-1.57) 12(-4.5,1.57) 13(-3.5,-1.57) 14(-3.5,1.57) 15(-2.5,-1.57) 16(-2.5,1.57) 17(-1.5,-1.57) 18(-1.5,1.57) 19(-0.5,-1.57) 20(-0.5,1.57) 21(0.5,-1.57) 22(0.5,1.57) 23(1.5,-1.57) 24(1.5,1.57) 25(2.5,-1.57) 26(2.5,1.57) 27(3.5,-1.57) 28(3.5,1.57) 29(4.5,-1.57) 30(4.5,1.57) 31(5.5,-1.57) 32(5.5,1.57) 33(6.5,-1.57) 34(6.5,1.57) 35(7.5,-1.57) 36(7.5,1.57) 37(8.5,-1.57) 38(8.5,1.57) 39(9.5,-1.57) 40(9.5,1.57)
  round 4.699 hole 3.2: 41(-15.249,0) 42(15.25,0)
DB9_M
  rect 1.778x2.032 hole 0.965: 1(5.537,0)
  oval 1.778x2.032 hole 0.965: 2(2.769,0) 3(0,0) 4(-2.769,0) 5(-5.537,0) 6(4.166,2.794) 7(1.397,2.794) 8(-1.372,2.794) 9(-4.14,2.794)
  oval 4.572x2.286 hole 3.556x1.27: 10(-12.522,1.397) 11(12.522,1.397)
FBGA90_0R8_8X13
  round 0.406 smd: A1(-3.2,5.6) A2(-2.4,5.6) A3(-1.6,5.6) A7(1.6,5.6) A8(2.4,5.6) A9(3.2,5.6) B1(-3.2,4.8) B2(-2.4,4.8) B3(-1.6,4.8) B7(1.6,4.8) B8(2.4,4.8) B9(3.2,4.8) C1(-3.2,4) C2(-2.4,4) C3(-1.6,4) C7(1.6,4) C8(2.4,4) C9(3.2,4) D1(-3.2,3.2) D2(-2.4,3.2) D3(-1.6,3.2) D7(1.6,3.2) D8(2.4,3.2) D9(3.2,3.2) E1(-3.2,2.4) E2(-2.4,2.4) E3(-1.6,2.4) E7(1.6,2.4) E8(2.4,2.4) E9(3.2,2.4) F1(-3.2,1.6) F2(-2.4,1.6) F3(-1.6,1.6) F7(1.6,1.6) F8(2.4,1.6) F9(3.2,1.6) G1(-3.2,0.8) G2(-2.4,0.8) G3(-1.6,0.8) G7(1.6,0.8) G8(2.4,0.8) G9(3.2,0.8) H1(-3.2,0) H2(-2.4,0) H3(-1.6,0) H7(1.6,0) H8(2.4,0) H9(3.2,0) J1(-3.2,-0.8) J2(-2.4,-0.8) J3(-1.6,-0.8) J7(1.6,-0.8) J8(2.4,-0.8) J9(3.2,-0.8) K1(-3.2,-1.6) K2(-2.4,-1.6) K3(-1.6,-1.6) K7(1.6,-1.6) K8(2.4,-1.6) K9(3.2,-1.6) L1(-3.2,-2.4) L2(-2.4,-2.4) L3(-1.6,-2.4) L7(1.6,-2.4) L8(2.4,-2.4) L9(3.2,-2.4) M1(-3.2,-3.2) M2(-2.4,-3.2) M3(-1.6,-3.2) M7(1.6,-3.2) M8(2.4,-3.2) M9(3.2,-3.2) N1(-3.2,-4) N2(-2.4,-4) N3(-1.6,-4) N7(1.6,-4) N8(2.4,-4) N9(3.2,-4) P1(-3.2,-4.8) P2(-2.4,-4.8) P3(-1.6,-4.8) P7(1.6,-4.8) P8(2.4,-4.8) P9(3.2,-4.8) R1(-3.2,-5.6) R2(-2.4,-5.6) R3(-1.6,-5.6) R7(1.6,-5.6) R8(2.4,-5.6) R9(3.2,-5.6)
FTR-120-53-L-D-LC
  round 1.194 hole 1.194 unplated: (-11.43,0) (11.43,0)
  rect 0.711x2.896 smd: 1(-12.065,-2.705) 2(-12.065,2.705) 3(-10.795,-2.705) 4(-10.795,2.705) 5(-9.525,-2.705) 6(-9.525,2.705) 7(-8.255,-2.705) 8(-8.255,2.705) 9(-6.985,-2.705) 10(-6.985,2.705) 11(-5.715,-2.705) 12(-5.715,2.705) 13(-4.445,-2.705) 14(-4.445,2.705) 15(-3.175,-2.705) 16(-3.175,2.705) 17(-1.905,-2.705) 18(-1.905,2.705) 19(-0.635,-2.705) 20(-0.635,2.705) 21(0.635,-2.705) 22(0.635,2.705) 23(1.905,-2.705) 24(1.905,2.705) 25(3.175,-2.705) 26(3.175,2.705) 27(4.445,-2.705) 28(4.445,2.705) 29(5.715,-2.705) 30(5.715,2.705) 31(6.985,-2.705) 32(6.985,2.705) 33(8.255,-2.705) 34(8.255,2.705) 35(9.525,-2.705) 36(9.525,2.705) 37(10.795,-2.705) 38(10.795,2.705) 39(12.065,-2.705) 40(12.065,2.705)
FTR-130-53-L-D-LC
  round 1.194 hole 1.194 unplated: (-17.78,0) (17.78,0)
  rect 0.711x2.896 smd: 1(-18.415,-2.705) 2(-18.415,2.705) 3(-17.145,-2.705) 4(-17.145,2.705) 5(-15.875,-2.705) 6(-15.875,2.705) 7(-14.605,-2.705) 8(-14.605,2.705) 9(-13.335,-2.705) 10(-13.335,2.705) 11(-12.065,-2.705) 12(-12.065,2.705) 13(-10.795,-2.705) 14(-10.795,2.705) 15(-9.525,-2.705) 16(-9.525,2.705) 17(-8.255,-2.705) 18(-8.255,2.705) 19(-6.985,-2.705) 20(-6.985,2.705) 21(-5.715,-2.705) 22(-5.715,2.705) 23(-4.445,-2.705) 24(-4.445,2.705) 25(-3.175,-2.705) 26(-3.175,2.705) 27(-1.905,-2.705) 28(-1.905,2.705) 29(-0.635,-2.705) 30(-0.635,2.705) 31(0.635,-2.705) 32(0.635,2.705) 33(1.905,-2.705) 34(1.905,2.705) 35(3.175,-2.705) 36(3.175,2.705) 37(4.445,-2.705) 38(4.445,2.705) 39(5.715,-2.705) 40(5.715,2.705) 41(6.985,-2.705) 42(6.985,2.705) 43(8.255,-2.705) 44(8.255,2.705) 45(9.525,-2.705) 46(9.525,2.705) 47(10.795,-2.705) 48(10.795,2.705) 49(12.065,-2.705) 50(12.065,2.705) 51(13.335,-2.705) 52(13.335,2.705) 53(14.605,-2.705) 54(14.605,2.705) 55(15.875,-2.705) 56(15.875,2.705) 57(17.145,-2.705) 58(17.145,2.705) 59(18.415,-2.705) 60(18.415,2.705)
FTSH-105-01-L-DV-K
  round 0.965 hole 0.965 unplated: (-1.905,0) (1.905,0)
  rect 0.737x2.794 smd: 1(-2.54,-2.03) 2(-2.54,2.03) 3(-1.27,-2.03) 4(-1.27,2.03) 5(0,-2.03) 6(0,2.03) 7(1.27,-2.03) 8(1.27,2.03) 9(2.54,-2.03) 10(2.54,2.03)
